# Altium PCB Tigershark 3D R2.3 - TR.PcbDoc (part 3 of 4)
Units mil, origin at the board's own origin, x right, y up, seen from the top; angles counter-clockwise.
Board outline 4100 x 4050 mil, 4 copper layers (Top Layer, Groun Plane, Power Plane, Bottom Layer), stack 61.73 mil thick; 370 components, 239 nets, 1161 pads, 1014 vias.
Unrouted connection lines stored in the file: 1.
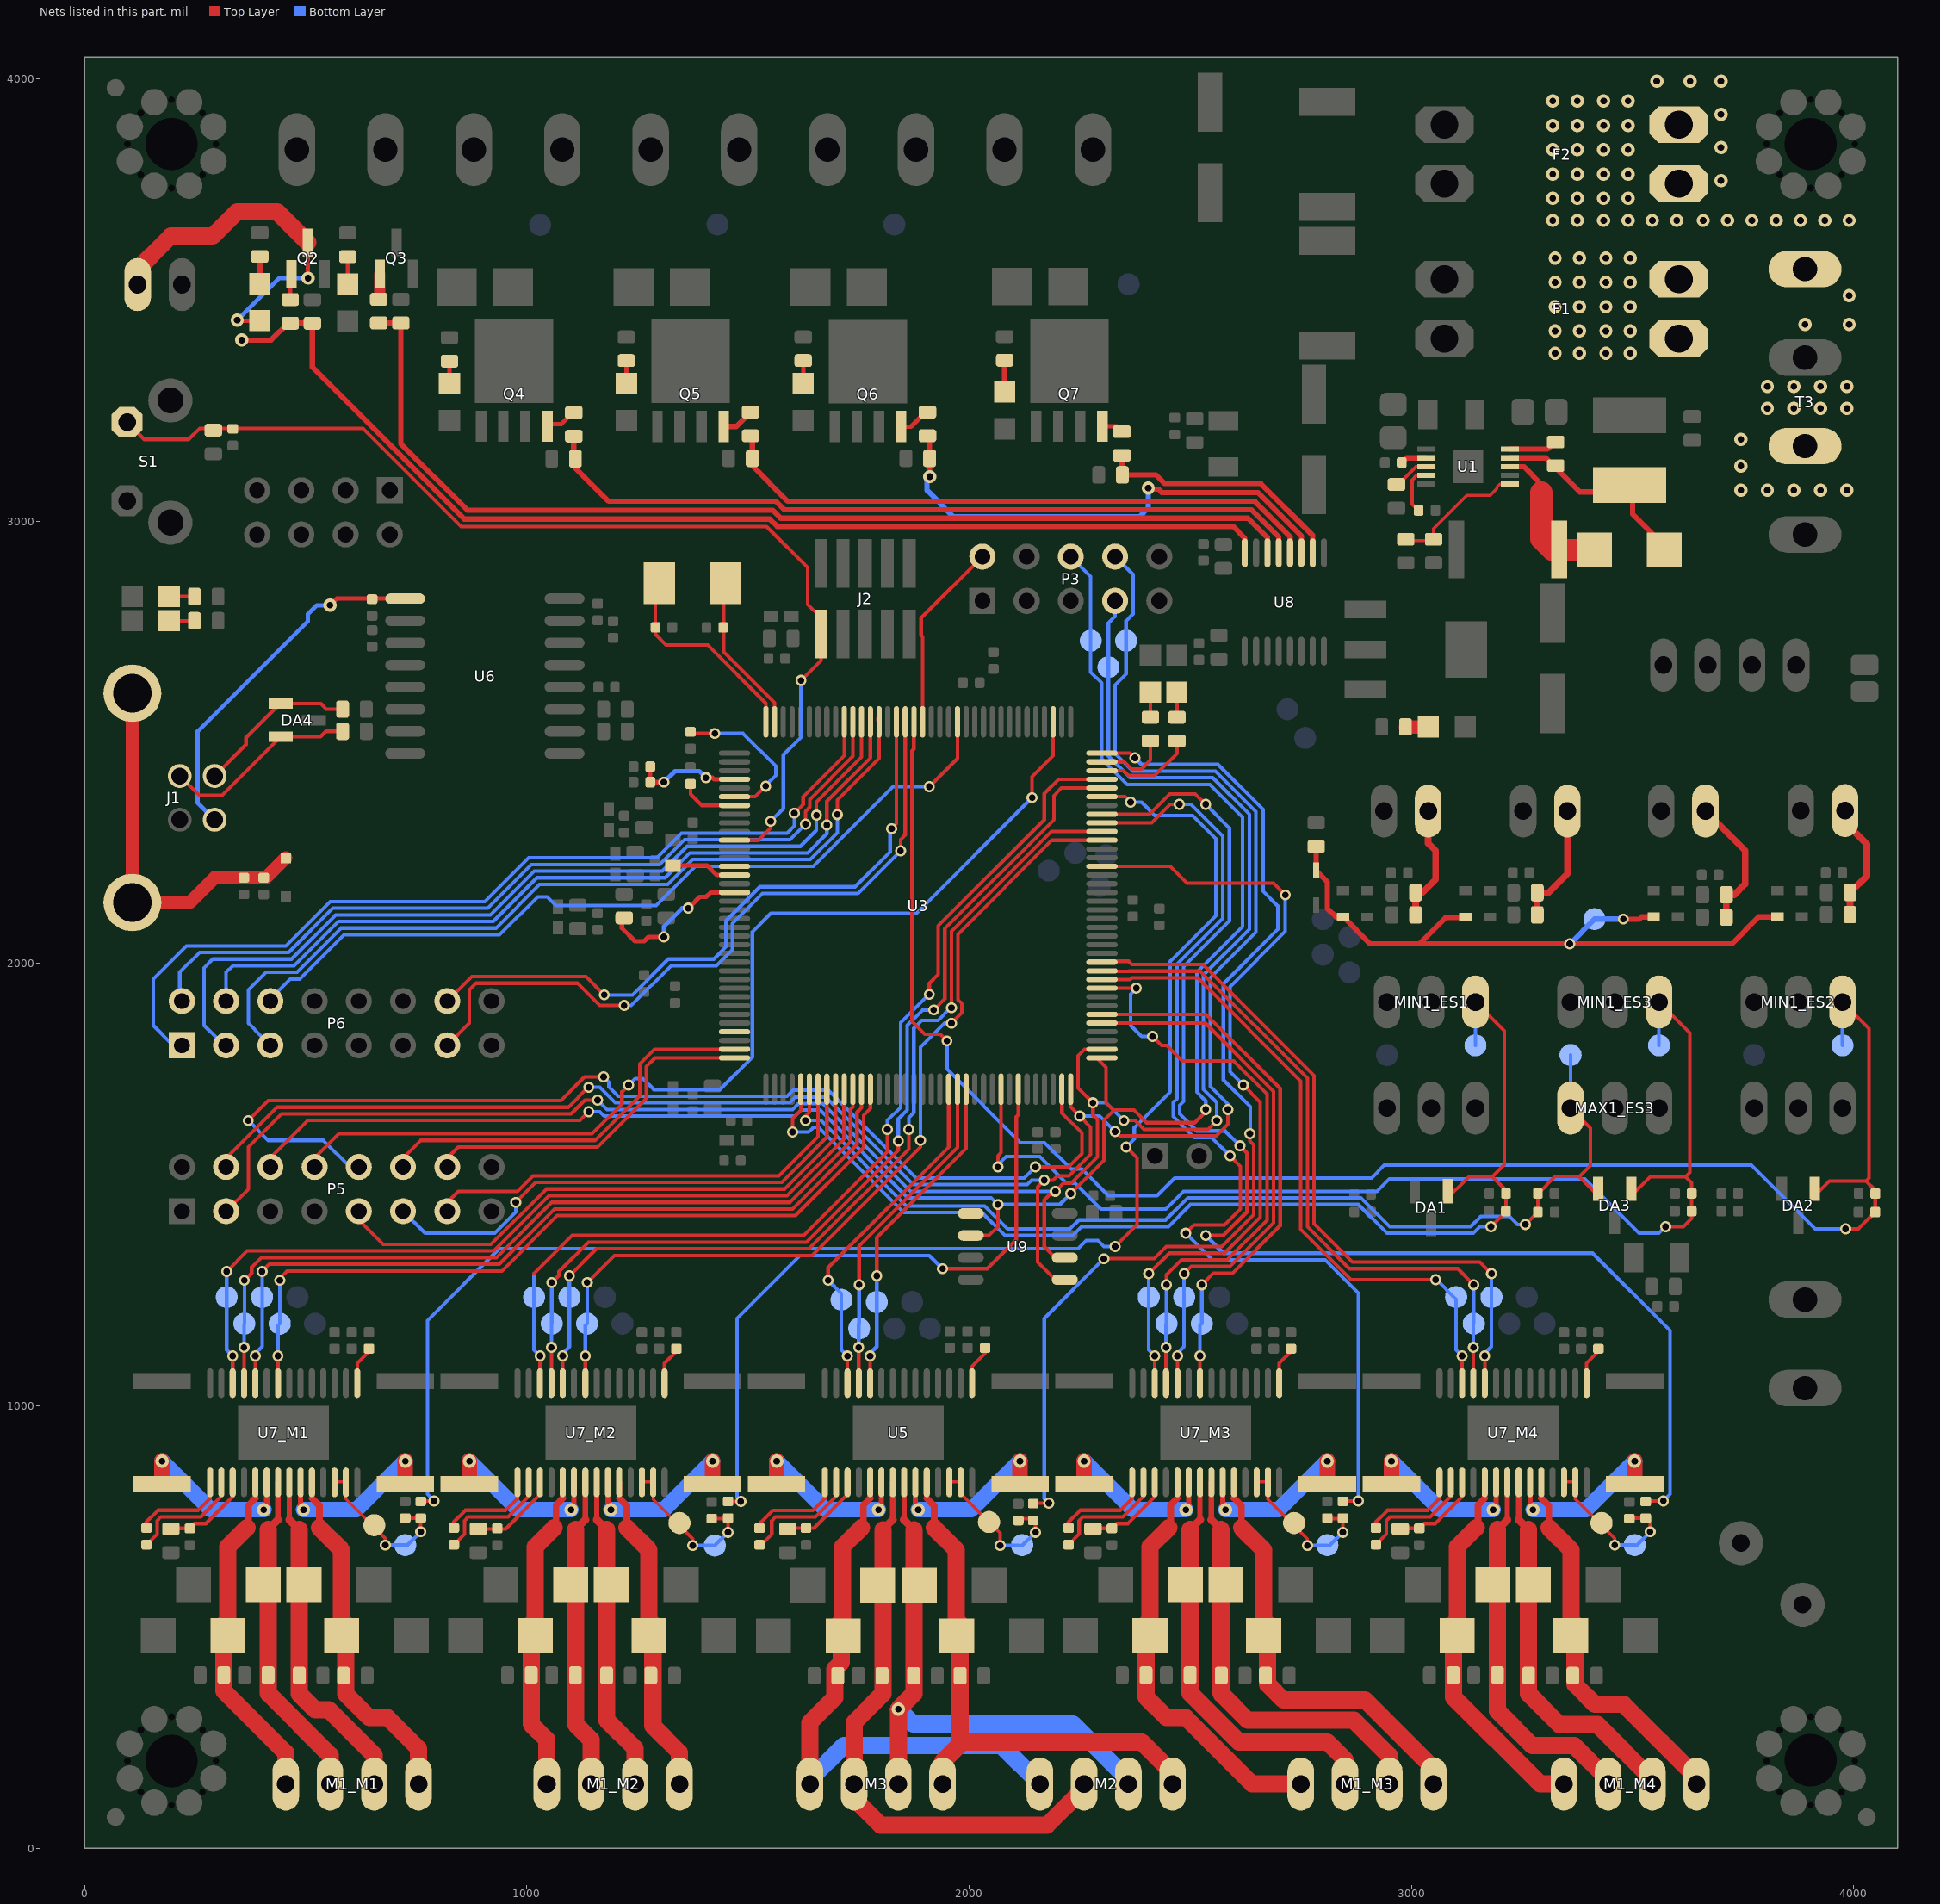
[diagram p5: the nets of this part, all layers, seen from the top]

## Via types
v1: diameter 30, hole 15, Top Layer to Bottom Layer, tented both sides, 607 vias
v2: diameter 25, hole 15, Top Layer to Bottom Layer, tented both sides, 232 vias
v3: diameter 19.68, hole 7.87, Top Layer to Bottom Layer, 75 vias
v4: diameter 30, hole 15, Top Layer to Bottom Layer, tented bottom, 64 vias
v5: diameter 25, hole 15, Top Layer to Bottom Layer, 24 vias
v6: diameter 30, hole 15, Top Layer to Bottom Layer, 9 vias
v7: diameter 45, hole 20, Top Layer to Bottom Layer, tented both sides, 2 vias
v8: diameter 25, hole 15, Top Layer to Bottom Layer, tented bottom, 1 vias

## Nets (pads, with @x,y where several pads share a name; then routed paths per layer and width w, separated by ;. In a path a pad name is that pad's centre, name@x,y a point inside that pad or via, vN(x,y) a via of type N, cw(c..) or ccw(c..) an arc to the next point about the centre after c; other vN are vias at no path point) (continued)
MAX_ES3: C2_ES3.2 DA3.2 MAX1_ES3.1 R3_ES3.1 TP10_ES3.1 U3.78 | length 2437.4
  Top Layer w8: v5(1630,1645) 1630,1655 1638.94,1663.94 U3.78@1638.94,1715.75 ; v2(3258.07,1410) R3_ES3.1@3286.1,1438.03 3286.1,1479.13 3325.43,1518.47 3380.43,1518.47 3405,1543.03 3405,1628.03 MAX1_ES3.1@3360,1673.03 ; C2_ES3.2@3284.95,1478.03 C2_ES3.2@3284.95,1479.45 ; 3380,1518.03 3422.6,1475.43 DA3.2@3420,1472.83
  Bottom Layer w8: v5(1630,1645) 1665.15,1645 1858.38,1451.77 2035,1451.77 2086.77,1400 2228.13,1400 2248.13,1420 2444.34,1420 2494.34,1470 2886.21,1470 2951.21,1405 3133.74,1405 3157.24,1428.5 3221.5,1428.5 3240,1410 v2(3258.07,1410) ; MAX1_ES3.1@3360,1673.03 TP10_ES3.1@3360,1793.03
MCCDZ: P5.14 U3.72 | length 813.8
  Top Layer w8: P5.14@800,1540 845,1585 1160,1585 1270,1695 1270,1766.77 1289.84,1786.61 U3.72@1469.65,1786.61
MCCK: P5.12 U3.71 | length 922
  Top Layer w8: P5.12@700,1540 760,1600 1153.79,1600 1255,1701.21 1255,1772.98 1288.32,1806.3 U3.71@1469.65,1806.3
MCDZ0: P5.10 U3.107 | length 2498.7
  Top Layer w8: v2(370,1645) 415,1690 1076.77,1690 1130.27,1743.5 v2(1173.5,1743.5) ; v2(2150,1540) 2225,1540 2255,1570 2255,1616.77 2209.8,1661.96 U3.107@2209.8,1715.75
  Bottom Layer w8: v2(370,1645) 415,1600 540,1600 P5.10@600,1540 ; v2(1173.5,1743.5) 1185,1732 1185,1721.21 1206.21,1700 1588.13,1700 1601.63,1713.5 1681.5,1713.5 1880,1515 2125,1515 v2(2150,1540)
MCDZ1: P5.9 U3.81 | length 1338.9
  Top Layer w8: P5.9@600,1440 675,1365 918.79,1365 1043.79,1490 1582.43,1490 1697.99,1605.57 U3.81@1697.99,1715.75
MCDZ2: P5.11 U3.80 | length 1190.7
  Top Layer w8: v2(975,1460) 1020,1505 1576.21,1505 1678.31,1607.09 U3.80@1678.31,1715.75
  Bottom Layer w8: P5.11@720,1440 770,1390 927.31,1390 975,1437.69 v2(975,1460)
MCDZ3: P5.13 U3.79 | length 1035.6
  Top Layer w8: P5.13@800,1440 845,1485 978.79,1485 1013.79,1520 1570,1520 1658.5,1608.5 1658.5,1715.63 U3.79@1658.62,1715.75
MIN_ES1: C1_ES1.2 DA1.1 MIN1_ES1.1 R2_ES1.1 TP9_ES1.1 U3.77 | length 2646.5
  Top Layer w8: v5(1600.76,1618.99) 1600.76,1648.99 1619.25,1667.49 U3.77@1619.25,1715.75 ; DA1.1@3075,1463.03 3130,1518.03 3183.03,1518.03 ; MIN1_ES1.1@3145,1913.03 3210,1848.03 3210,1545 3183.03,1518.03 ; v2(3180,1405) 3214,1439 C1_ES1.2@3214,1480 ; C1_ES1.2@3213.9,1487.17 3183.03,1518.03
  Bottom Layer w8: v5(1600.76,1618.99) 1637.22,1618.99 1648.23,1630 1658.93,1630 1852.17,1436.77 2028.79,1436.77 2080.55,1385 2234.34,1385 2254.34,1405 2450.55,1405 2500.55,1455 2880,1455 2945,1390 3139.95,1390 3154.95,1405 v2(3180,1405) ; TP9_ES1.1@3145,1815 MIN1_ES1.1@3145,1913.03
MIN_ES2: C1_ES2.2 DA2.1 MIN1_ES2.1 R2_ES2.1 TP9_ES2.1 U3.19 | length 3904.9
  Top Layer w8: U3.19@1875.16,2546.46 1875,2546.3 1875,2485 1870.47,2480.47 1870.47,1869.53 1900,1840 1935,1840 v2(1950,1825) ; DA2.1@3915,1472.83 3912.4,1475.43 3945,1508.03 4028.03,1508.03 ; MIN1_ES2.1@3975,1913.03 4035,1853.03 4035,1515 4028.03,1508.03 ; v2(3981.97,1400) 4010.87,1400 R2_ES2.1@4048.9,1438.03 4048.9,1487.17 4028.03,1508.03
  Bottom Layer w8: v2(1950,1825) 1950,1761.21 2116.21,1595 2170.66,1595 2230.66,1535 2255,1535 2315,1475 2425,1475 2465,1515 2910,1515 2939.69,1544.69 3768.34,1544.69 3913.03,1400 v2(3981.97,1400) ; TP9_ES2.1@3975,1815 MIN1_ES2.1@3975,1913.03
MIN_ES3: C1_ES3.2 DA3.1 MIN1_ES3.1 R2_ES3.1 TP9_ES3.1 U3.100 | length 2672.6
  Top Layer w8: v5(2065,1540) 2065,1565 2072.01,1572.01 U3.100@2072.01,1715.75 ; DA3.1@3497.4,1475.43 3540,1518.03 3620,1518.03 ; MIN1_ES3.1@3560,1913.03 3630,1843.03 3630,1527.94 3620.04,1517.99 3633.7,1504.33 3633.7,1478.03 R2_ES3.1@3633.7,1438.03 ; v2(3575,1405) 3615,1405 3633.7,1423.7 R2_ES3.1@3633.7,1440
  Bottom Layer w8: v5@2060,1540 2083.5,1563.5 2159.73,1563.5 2219.73,1503.5 2239.73,1503.5 2298.23,1445 2445,1445 2485,1485 2922.43,1485 2950.46,1513.03 3391.97,1513.03 3515,1390 3560,1390 v2(3575,1405) ; TP9_ES3.1@3560,1815 MIN1_ES3.1@3560,1913.03
MISO: P3.8 P5.4 TP7.1 U3.108 U9.5 | length 4602.9
  Top Layer w8: P5.4@300,1540 435,1675 1093.79,1675 1138.79,1720 v2(1140,1720) ; U9.5@2216.3,1285 2195,1285 2155,1325 2155,1495 v2(2170,1510) 2190,1510 2200,1520 2226.21,1520 2275,1568.79 2275,1630 v2(2250,1655) 2229.49,1675.51 U3.108@2229.49,1715.75 ; v2(2330,1620) 2340,1610 2558.79,1610 2585,1636.21 v2(2585,1670)
  Bottom Layer w8: v2(1140,1720) 1165,1720 1200,1685 1594.34,1685 1607.84,1698.5 1675.29,1698.5 1873.79,1500 2131.21,1500 2141.21,1510 v2(2170,1510) ; v2(2250,1655) 2295,1655 v2(2330,1620) ; P3.8@2330,2920 2370.53,2879.47 2370.53,2790.53 2355,2775 2355,2655 2330,2630 2330,2475 2370,2435 2556.87,2435 2648.5,2343.37 2648.5,2071.22 2545,1967.72 2545,1722.02 2585,1682.02 v2(2585,1670) v2@2590,1670
MOD0E1: TP37_M1.1 U3.84 U7_M1.24 | length 1851.5
  Top Layer w8: U7_M1.24@386.02,1052.2 v2(386.02,1112.64) ; v2(401.26,1303.74) 417.52,1320 937.43,1320 1062.43,1445 1601.07,1445 1746.5,1590.43 1746.5,1663.37 1757.05,1673.92 U3.84@1757.05,1715.75
  Bottom Layer w8: v2(386.02,1112.64) 386.02,1118.57 401.23,1133.77 TP37_M1.1@401.23,1245.77 v2@401.23,1303.71
MOD0E2: TP37_M2.1 U3.135 U7_M2.24 | length 2122.7
  Top Layer w8: U7_M2.24@1081.02,1052.2 v2(1081.02,1112.64) ; v2(1096.26,1293.74) 1157.52,1355 1638.35,1355 1863.5,1580.15 v2(1863.5,1625) ; v2(1960,1900) 1960,2072.57 2185.85,2298.43 U3.135@2300.35,2298.43
  Bottom Layer w8: v2(1081.02,1112.64) 1081.02,1118.57 1096.23,1133.77 TP37_M2.1@1096.23,1245.77 v2@1096.23,1293.71 ; v2(1863.5,1625) 1863.5,1651.07 1875,1662.57 1875,1853.79 1892.71,1871.5 1929.73,1871.5 1958.23,1900 v2(1960,1900)
MOD0E3: TP37_M3.1 U3.113 U7_M3.24 | length 1252.1
  Top Layer w8: U3.113@2300.35,1865.35 2534.09,1865.35 2688.5,1710.95 2688.5,1413.65 2589.85,1315 2502.52,1315 v2(2486.26,1298.74) ; U7_M3.24@2471.02,1052.2 v2(2471.02,1112.64)
  Bottom Layer w8: v2(2471.02,1112.64) 2471.02,1118.57 2486.23,1133.77 TP37_M3.1@2486.23,1245.77 v2@2486.23,1298.71
MOD0E4: TP37_M4.1 U3.120 U7_M4.24 | length 1623.5
  Top Layer w8: U3.120@2300.35,2003.15 2302.2,2005 2360.69,2005 2368.1,1997.59 2529.13,1997.59 2780,1746.73 2780,1411.36 2866.36,1325 3155,1325 v2(3181.23,1298.77) ; U7_M4.24@3166.02,1052.2 v2(3166.02,1112.64)
  Bottom Layer w8: v2(3166.02,1112.64) 3166.02,1118.57 3181.23,1133.77 TP37_M4.1@3181.23,1245.77 v2(3181.23,1298.77)
MOD0E_Z: TP19.1 U3.96 U5.24 | length 747.6
  Top Layer w8: U5.24@1776.06,1052.17 v5(1776.06,1112.61) ; v5(1791.26,1293.74) 1791.26,1380.19 1993.27,1582.2 U3.96@1993.27,1715.75
  Bottom Layer w8: v5@1776.06,1118.54 1791.26,1133.74 TP19.1@1791.26,1234.74 v5(1791.26,1293.74)
MOD1E1: TP36_M1.1 U3.83 U7_M1.25 | length 1861
  Top Layer w8: U7_M1.25@360.43,1052.2 v2(360.43,1132.05) ; v2(361.26,1283.74) 377.76,1300.24 377.76,1313.47 399.29,1335 931.21,1335 1056.21,1460 1594.85,1460 1731.5,1596.65 1731.5,1669.59 1737.36,1675.45 U3.83@1737.36,1715.75
  Bottom Layer w8: v2(360.43,1132.05) 360.43,1184.98 TP36_M1.1@361.23,1185.77 v2@361.23,1283.71
MOD1E2: TP36_M2.1 U3.140 U7_M2.25 | length 2217.4
  Top Layer w8: U7_M2.25@1055.43,1052.2 v2(1055.43,1132.05) ; v2(1056.26,1278.74) 1072.76,1295.24 1072.76,1303.47 1139.29,1370 1632.13,1370 1840,1577.87 v2(1840,1598.64) ; v2(1920,1895) 1945,1920 1945,2078.79 2191.5,2325.29 2191.5,2379.73 2208.62,2396.85 U3.140@2300.35,2396.85
  Bottom Layer w8: v2(1055.43,1132.05) 1055.43,1184.98 TP36_M2.1@1056.23,1185.77 1056.23,1233.74 v2(1056.26,1278.74) ; v2(1840,1598.64) 1840,1648.79 1860,1668.79 1860,1860 1895,1895 v2(1920,1895)
MOD1E3: TP36_M3.1 U3.117 U7_M3.25 | length 1339.8
  Top Layer w8: U3.117@2300.35,1944.09 v2(2378.11,1944.09) ; v2(2415,1835) 2435,1815 2447.02,1815 2482.02,1780 2598.23,1780 2673.5,1704.73 2673.5,1419.86 2583.64,1330 2480,1330 2446.26,1296.26 v2(2446.26,1273.74) ; U7_M3.25@2445.43,1052.2 v2(2445.43,1132.05)
  Bottom Layer w8: v2(2378.11,1944.09) 2365,1930.98 2365,1860 2390,1835 v2(2415,1835) ; v2(2445.43,1132.05) 2445.43,1184.98 TP36_M3.1@2446.23,1185.77 v2@2446.23,1265.77
MOD1E4: TP36_M4.1 U3.119 U7_M4.25 | length 1545.3
  Top Layer w8: U3.119@2300.35,1983.46 2301.36,1982.45 2362.02,1982.45 2362.16,1982.59 2522.92,1982.59 2765,1740.51 2765,1405.15 2860.15,1310 3105,1310 v2(3141.23,1273.77) ; U7_M4.25@3140.43,1052.2 v2(3140.43,1132.05)
  Bottom Layer w8: v2(3140.43,1132.05) 3140.43,1184.98 TP36_M4.1@3141.23,1185.77 v2@3141.23,1265.77
MOD1E_Z: TP18.1 U3.95 U5.25 | length 746.9
  Top Layer w8: U5.25@1750.46,1052.17 v5(1750.46,1132.02) ; v5(1751.26,1273.74) 1751.26,1361.41 1973.58,1583.73 U3.95@1973.58,1715.75
  Bottom Layer w8: v5(1750.46,1132.02) TP18.1@1750.46,1184.94 ; TP18.1@1751.26,1185.74 v5@1751.26,1265.74
MOD2E1: TP35_M1.1 U3.82 U7_M1.26 | length 1889.7
  Top Layer w8: v2(321.26,1303.74) 367.52,1350 925,1350 1050,1475 1588.64,1475 1716.5,1602.86 1716.5,1714.57 U3.82@1717.68,1715.75 ; U7_M1.26@334.84,1052.2 v2(334.84,1112.64)
  Bottom Layer w8: v2@321.23,1303.71 TP35_M1.1@321.23,1245.77 321.23,1126.25 v2(334.84,1112.64)
MOD2E2: TP35_M2.1 U3.141 U7_M2.26 | length 2266.5
  Top Layer w8: 1016.26,1298.74 1102.52,1385 1625.92,1385 1815,1574.08 v2(1815,1625) ; U7_M2.26@1029.84,1052.2 v2(1029.84,1112.64) ; v2(1910,1930) 1910,1955 1930,1975 1930,2085 2170,2325 2170,2384.07 2202.46,2416.54 U3.141@2300.35,2416.54
  Bottom Layer w8: 1016.23,1298.71 TP35_M2.1@1016.23,1245.77 1016.23,1126.25 v2(1029.84,1112.64) ; v2(1815,1625) 1815,1645 1845,1675 1845,1866.21 1908.79,1930 v2(1910,1930)
MOD2E3: TP35_M3.1 U3.131 U7_M3.26 | length 1807.7
  Top Layer w8: U3.131@2300.35,2219.68 2454.65,2219.68 2492.84,2181.5 2688.5,2181.5 v2(2715,2155) ; v2(2406.26,1298.74) 2452.52,1345 2577.43,1345 2658.5,1426.07 2658.5,1686.5 v2(2620,1725) ; U7_M3.26@2419.84,1052.2 v2(2419.84,1112.64)
  Bottom Layer w8: v2@2406.23,1298.71 TP35_M3.1@2406.23,1245.77 2406.23,1126.25 v2(2419.84,1112.64) ; v2(2620,1725) 2590,1755 2590,1947.57 2715,2072.57 v2(2715,2155)
MOD2E4: TP35_M4.1 U3.118 U7_M4.26 | length 1495
  Top Layer w8: U3.118@2300.35,1963.78 2364.56,1963.78 2368.38,1967.59 2516.71,1967.59 2750,1734.3 2750,1398.93 2863.93,1285 v2(3055,1285) ; U7_M4.26@3114.84,1052.2 v2(3114.84,1112.64)
  Bottom Layer w8: v2@3055,1287 3101.23,1240.77 3101.23,1126.25 v2(3114.84,1112.64)
MOD2E_Z: TP17.1 U3.94 U5.26 | length 794.6
  Top Layer w8: v5(1681.26,1283.74) 1681.26,1312.62 1953.9,1585.26 U3.94@1953.9,1715.75 ; U5.26@1724.87,1052.17 v5(1724.87,1112.61)
  Bottom Layer w8: v5(1681.26,1283.74) 1711.26,1253.74 1711.26,1126.22 v5(1724.87,1112.61)
MODE0_EXP1: P6.1 U3.27 | length 2044
  Top Layer w8: v2(1605,2340) 1624.85,2359.85 1624.85,2377.28 1717.68,2470.1 U3.27@1717.68,2546.46
  Bottom Layer w8: P6.1@200,1815 155,1860 155,1965 230,2040 455.15,2040 555.15,2140 905.15,2140 1004.15,2239 1294,2239 1350,2295 1588.79,2295 1605,2311.21 v2(1605,2340)
MODE0_EXP2: P6.2 U3.26 | length 1900.9
  Top Layer w8: v2(1630,2315) 1630,2343.79 1639.85,2353.64 1639.85,2371.06 1737.36,2468.58 U3.26@1737.36,2546.46
  Bottom Layer w8: P6.2@200,1915 215,1930 215,1980 260,2025 461.36,2025 561.36,2125 911.36,2125 1010.36,2224 1300.21,2224 1356.21,2280 1595,2280 v2(1630,2315)
MODE1_EXP1: P6.3 U3.25 | length 1988.8
  Top Layer w8: v2(1654.85,2335.4) 1654.85,2364.85 1757.05,2467.05 U3.25@1757.05,2546.46
  Bottom Layer w8: P6.3@300,1815 300,1830 270,1860 270,1990 290,2010 467.57,2010 567.57,2110 917.57,2110 1016.57,2209 1306.43,2209 1362.43,2265 1618.79,2265 1654.85,2301.06 v2(1654.85,2335.4)
MODE1_EXP2: P6.4 U3.24 | length 1855.3
  Top Layer w8: v2(1678.35,2313.35) 1678.35,2367.14 1776.73,2465.52 U3.24@1776.73,2546.46
  Bottom Layer w8: P6.4@300,1915 320,1935 320,1980 335,1995 473.79,1995 573.79,2095 923.79,2095 1022.79,2194 1312.64,2194 1368.64,2250 1635,2250 1678.35,2293.35 v2(1678.35,2313.35)
MODE2_EXP1: P6.5 U3.23 | length 1916.3
  Top Layer w8: v2(1701.85,2336.85) 1701.85,2369.42 1796.42,2463.99 U3.23@1796.42,2546.46 1793.64,2549.24 U3.23@1793.64,2555
  Bottom Layer w8: P6.5@400,1815 400,1835 370,1865 370,1940 410,1980 480,1980 580,2080 930,2080 1028.5,2178.5 1318.35,2178.5 1374.85,2235 1641.21,2235 1701.85,2295.64 v2(1701.85,2336.85)
MODE2_EXP2: P6.6 U3.14 | length 1899.8
  Top Layer w8: v2(1910,2400) 1973.58,2463.58 U3.14@1973.58,2546.46
  Bottom Layer w8: P6.6@400,1915 415,1915 465,1965 486.21,1965 586.21,2065 938.23,2065 1024.23,2151 1045.77,2151 1065.27,2131.5 1292.57,2131.5 1381.07,2220 1647.43,2220 1827.43,2400 v2(1910,2400)
MOSI: P3.6 P5.6 TP8.1 U3.109 U9.2 | length 4284.1
  Top Layer w8: P5.6@400,1540 505,1645 1120,1645 v2(1140,1665) ; U9.2@2003.7,1385 2045,1385 2065,1405 v2(2065,1455) ; v2(2230,1480) 2305,1555 2305,1645 2327.5,1667.5 2310,1685 2310,1765 U3.109@2290,1785 ; 2327.5,1668.5 2372.71,1668.5 2401.21,1640 2510,1640 2540,1670 v2(2535,1670)
  Bottom Layer w8: v2(1140,1665) 1165,1665 1175,1655 1606.77,1655 1620.27,1668.5 1662.86,1668.5 1861.36,1470 2050,1470 v2(2065,1455) 2205,1455 v2(2230,1480) ; P3.6@2230,2920 2275,2875 TP8.1@2275,2730 2275,2659.09 2300,2634.09 2300,2462.57 2357.57,2405 2544.45,2405 2618.5,2330.95 2618.5,2083.65 2515,1980.15 2515,1709.59 2535,1689.59 v2(2535,1670)
NetC3_M1_1: C3_M1.1 D20_M1.A M1_M1.4 U7_M1.5 | length 770.2
  Top Layer w12: 386.02,791.02 U7_M1.5@386.02,827.8
  Top Layer w15: 367,724.48 370.76,728.24 370.76,775.76 386.02,791.02
  Top Layer w39: 367,724.48 324,681.48 324,515 315,506 315,355 455,215 M1_M1.4@455,145
NetC3_M2_1: C3_M2.1 D20_M2.A M1_M2.4 U7_M2.5 | length 726.8
  Top Layer w12: 1081.02,791.02 U7_M2.5@1081.02,827.8
  Top Layer w15: 1062,724.48 1065.76,728.24 1065.76,775.76 1081.02,791.02
  Top Layer w39: C3_M2.1@1009.77,391 1009.77,280.23 1045,245 M1_M2.4@1045,145 ; C3_M2.1@1010,391 1010,506 1019,515 1019,681.48 1062,724.48
NetC3_M3_1: C3_M3.1 D20_M3.A M1_M3.4 U7_M3.5 | length 947.2
  Top Layer w12: 2471.02,791.02 U7_M3.5@2471.02,827.8
  Top Layer w15: 2452,724.48 2455.76,728.24 2455.76,775.76 2471.02,791.02
  Top Layer w39: 2452,724.48 2409,681.48 2409,515 2400,506 2400,341.31 2446.31,295 2489.69,295 2639.69,145 M1_M3.4@2750,145
NetC3_M4_1: C3_M4.1 D20_M4.A M1_M4.4 U7_M4.5 | length 847.2
  Top Layer w12: 3166.02,791.02 U7_M4.5@3166.02,827.8
  Top Layer w15: 3147,724.48 3150.76,728.24 3150.76,775.76 3166.02,791.02
  Top Layer w39: 3147,724.48 3104,681.48 3104,515 3095,506 3095,341.31 3291.31,145 M1_M4.4@3345,145
NetC5_M1_1: C5_M1.1 D21_M1.A M1_M1.3 U7_M1.7 | length 750
  Top Layer w12: 437.2,742.2 U7_M1.7@437.2,827.8
  Top Layer w18: 415,720 437.2,742.2
  Top Layer w39: 415,720 415,350 555,210 M1_M1.3@555,145
NetC5_M2_1: C5_M2.1 D21_M2.A M1_M2.3 U7_M2.7 | length 706.5
  Top Layer w12: 1132.2,742.2 U7_M2.7@1132.2,827.8
  Top Layer w18: 1110,720 1132.2,742.2
  Top Layer w39: 1110,720 1110,280 1145,245 M1_M2.3@1145,145
NetC5_M3_1: C5_M3.1 D21_M3.A M1_M3.3 U7_M3.7 | length 954.1
  Top Layer w12: 2522.2,742.2 U7_M3.7@2522.2,827.8
  Top Layer w18: 2500,720 2522.2,742.2
  Top Layer w39: 2500,720 2500,350 2610,240 2810,240 2850,200 M1_M3.3@2850,145
NetC5_M4_1: C5_M4.1 D21_M4.A M1_M4.3 U7_M4.7 | length 851.1
  Top Layer w12: 3217.2,742.2 U7_M4.7@3217.2,827.8
  Top Layer w18: 3195,720 3217.2,742.2
  Top Layer w39: 3195,720 3195,310 3273.5,231.5 3368.4,231.5 3445,154.9 M1_M4.3@3445,145
NetC6_M1_1: C6_M1.1 D22_M1.A M1_M1.1 U7_M1.10 | length 806.8
  Top Layer w12: 513.98,791.02 U7_M1.10@513.98,827.8
  Top Layer w15: 513.98,791.02 531,774 531,724
  Top Layer w39: 531,724 581,674 581,515 590,506 590,348.74 643.74,295 685,295 755,225 M1_M1.1@755,145
NetC6_M2_1: C6_M2.1 D22_M2.A M1_M2.1 U7_M2.10 | length 739.1
  Top Layer w12: 1208.98,791.02 U7_M2.10@1208.98,827.8
  Top Layer w15: 1208.98,791.02 1226,774 1226,724
  Top Layer w39: 1226,724 1276,674 1276,515 1285,506 1285,276.31 1345,216.31 M1_M2.1@1345,145
NetC6_M3_1: C6_M3.1 D22_M3.A M1_M3.1 U7_M3.10 | length 977.7
  Top Layer w12: 2598.98,791.02 U7_M3.10@2598.98,827.8
  Top Layer w15: 2598.98,791.02 2616,774 2616,724
  Top Layer w39: 2616,724 2666,674 2666,515 2675,506 2675,370.46 2710.46,335 2895,335 3050,180 M1_M3.1@3050,145
NetC6_M4_1: C6_M4.1 D22_M4.A M1_M4.1 U7_M4.10 | length 866.3